# Altium PCB foxbms2-master.PcbDoc (part 2 of 12)
Units mil, origin at the board's own origin, x right, y up, seen from the top; angles counter-clockwise.
Board outline 7874.02 x 4724.41 mil, 8 copper layers (Top, Int1 (Sig), Int2 (Gnd), Int3 (Sig), Int4 (Sig), Int5 (Pwr), Int6 (Sig), Bottom), stack 64.41 mil thick; 912 components, 680 nets, 3159 pads, 2871 vias.
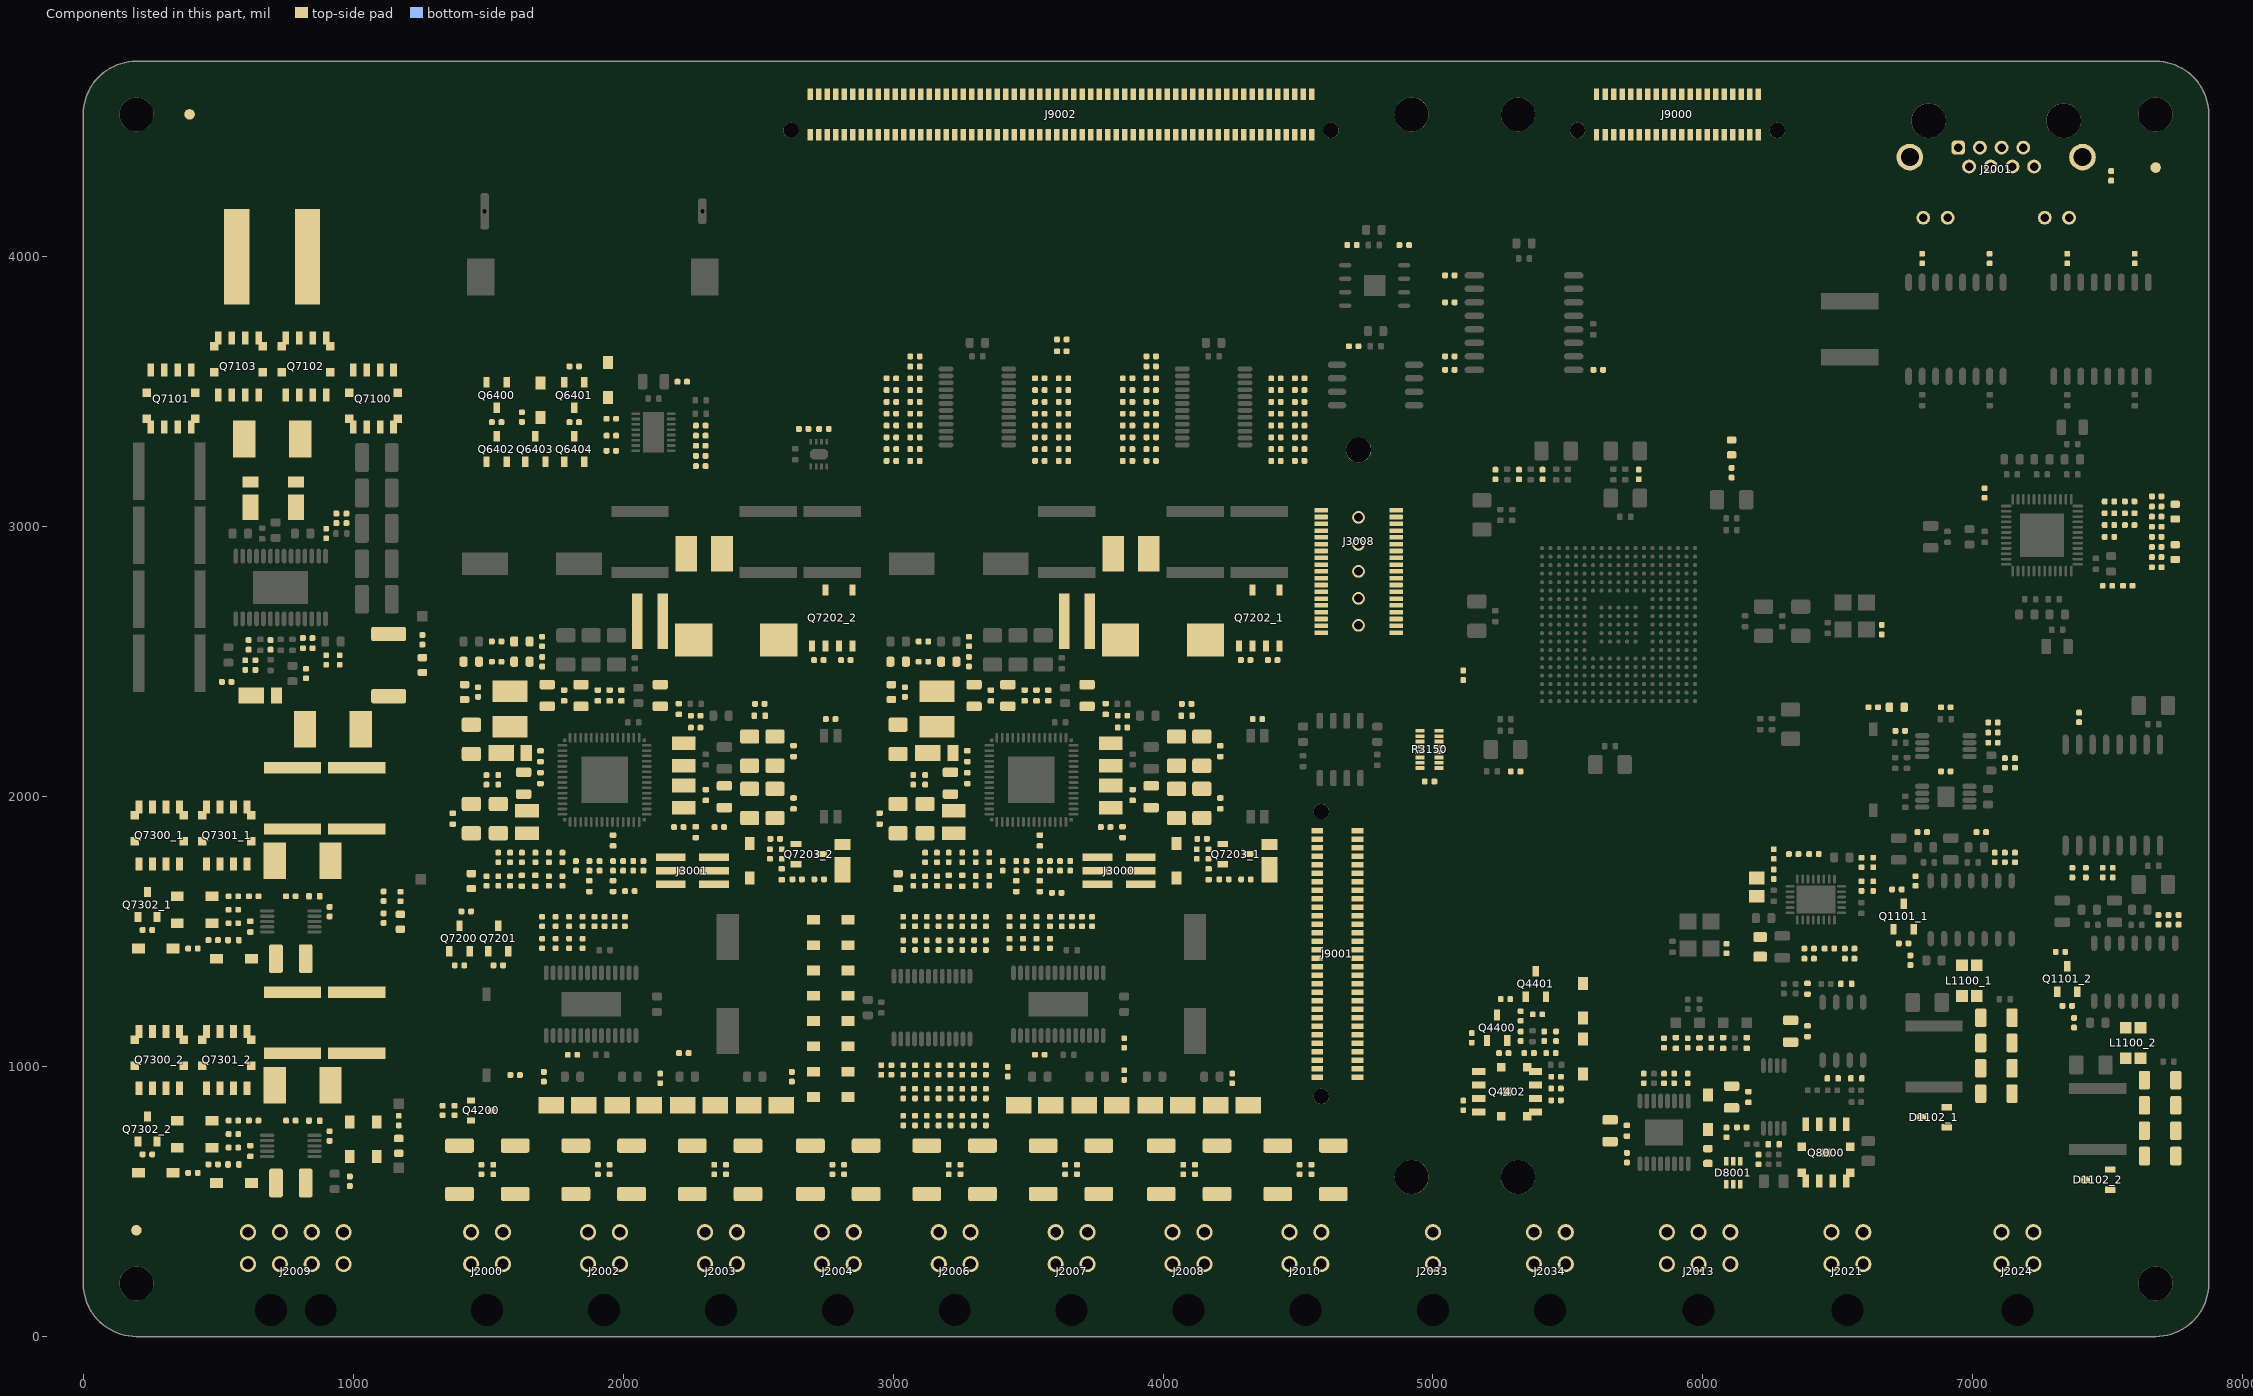
[diagram p8: the components of this part, seen from the top]

## Components (designator, comment, footprint, x,y, rotation, side; value= is the part's Value field where it differs from the comment) (continued)
C7218_2 "100n/100V" CAPC1608X08N 1625,2575 r180 top (schematic designator C7218)
C7219_1 "1n/100V" CAPC1005X06N 3575,2375 r270 top (schematic designator C7219)
C7219_2 "1n/100V" CAPC1005X06N 1993.75,2375 r270 top (schematic designator C7219)
C7220_1 "22u/10V" CAPC3216X18N 3018.75,2212.5 r270 top (schematic designator C7220)
C7220_2 "22u/10V" CAPC3216X18N 1437.5,2212.5 r270 top (schematic designator C7220)
C7221_1 "100n/50V" CAPC1005X06N 3531.25,2375 r270 top (schematic designator C7221)
C7221_2 "100n/50V" CAPC1005X06N 1950,2375 r270 top (schematic designator C7221)
C7222_1 "100n/50V" CAPC1005X06N 3543.75,1837.5 r90 top (schematic designator C7222)
C7222_2 "100n/50V" CAPC1005X06N 1962.5,1837.5 r90 top (schematic designator C7222)
C7223_1 "100n/50V" CAPC1005X06N 3887.5,2006.25 r90 top (schematic designator C7223)
C7223_2 "100n/50V" CAPC1005X06N 2306.25,2006.25 r90 top (schematic designator C7223)
C7224_1 "10u/16V" CAPC2012X14N 3956.25,2000 r90 top (schematic designator C7224)
C7224_2 "10u/16V" CAPC2012X14N 2375,2000 r90 top (schematic designator C7224)
C7225_1 "47n/100V" CAPC1608X08N 3018.75,2500 r0 top (schematic designator C7225)
C7225_2 "47n/100V" CAPC1608X08N 1437.5,2500 r0 top (schematic designator C7225)
C7226_1 "100n/100V" CAPC1608X08N 3206.25,2500 r180 top locked (schematic designator C7226)
C7226_2 "100n/100V" CAPC1608X08N 1625,2500 r180 top (schematic designator C7226)
C7227_1 "100n/50V" CAPC1005X06N 4087.5,2300 r180 top locked (schematic designator C7227)
C7227_2 "100n/50V" CAPC1005X06N 2506.25,2300 r180 top (schematic designator C7227)
C7228_1 "100n/50V" CAPC1005X06N 3275,2068.75 r90 top (schematic designator C7228)
C7228_2 "100n/50V" CAPC1005X06N 1693.75,2068.75 r90 top (schematic designator C7228)
C7229_1 "10u/16V" CAPC2012X14N 3212.5,2050 r90 top (schematic designator C7229)
C7229_2 "10u/16V" CAPC2012X14N 1631.25,2050 r90 top (schematic designator C7229)
C7230_1 "100n/50V" CAPC1005X06N 3275,2150 r270 top (schematic designator C7230)
C7230_2 "100n/50V" CAPC1005X06N 1693.75,2150 r270 top (schematic designator C7230)
C7231_1 "100n/50V" CAPC1005X06N 4168.75,1712.5 r90 top locked (schematic designator C7231)
C7231_2 "100n/50V" CAPC1005X06N 2587.5,1712.5 r90 top (schematic designator C7231)
C7232_1 "100n/50V" CAPC1005X06N 3362.5,2375 r270 top (schematic designator C7232)
C7232_2 "100n/50V" CAPC1005X06N 1781.25,2375 r270 top (schematic designator C7232)
C7233_1 "10u/16V" CAPC2012X14N 3300,2375 r270 top locked (schematic designator C7233)
C7233_2 "10u/16V" CAPC2012X14N 1718.75,2375 r270 top (schematic designator C7233)
C7234_1 "100n/50V" CAPC1005X06N 3487.5,2375 r270 top (schematic designator C7234)
C7234_2 "100n/50V" CAPC1005X06N 1906.25,2375 r270 top (schematic designator C7234)
C7235_1 "10u/16V" CAPC2012X14N 3425,2375 r270 top locked (schematic designator C7235)
C7235_2 "10u/16V" CAPC2012X14N 1843.75,2375 r270 top locked (schematic designator C7235)
C7236_1 "1n/100V" CAPC1005X06N 3543.75,1668.75 r90 top (schematic designator C7236)
C7236_2 "1n/100V" CAPC1005X06N 1962.5,1668.75 r90 top (schematic designator C7236)
C7237_1 "1n/100V" CAPC1005X06N 3456.25,1668.75 r90 top (schematic designator C7237)
C7237_2 "1n/100V" CAPC1005X06N 1875,1668.75 r90 top (schematic designator C7237)
C7238_1 "100n/50V" CAPC1005X06N 4212.5,2168.75 r90 top (schematic designator C7238)
C7238_2 "100n/50V" CAPC1005X06N 2631.25,2168.75 r90 top (schematic designator C7238)
C7239_1 "22u/10V" CAPC3216X18N 4143.75,2168.75 r90 top (schematic designator C7239)
C7239_2 "22u/10V" CAPC3216X18N 2562.5,2168.75 r90 top (schematic designator C7239)
C7240_1 "22u/10V" CAPC3216X18N 4050,2168.75 r90 top (schematic designator C7240)
C7240_2 "22u/10V" CAPC3216X18N 2468.75,2168.75 r90 top (schematic designator C7240)
C7241_1 "10u/16V" CAPC2012X14N 3718.75,2375 r270 top (schematic designator C7241)
C7241_2 "10u/16V" CAPC2012X14N 2137.5,2375 r270 top (schematic designator C7241)
C7242_1 "100n/50V" CAPC1005X06N 3787.5,2325 r270 top locked (schematic designator C7242)
C7242_2 "100n/50V" CAPC1005X06N 2206.25,2325 r270 top (schematic designator C7242)
C7243_1 "47n/50V" CAPC1005X06N 3206.25,1688.53 r90 top (schematic designator C7243)
C7243_2 "47n/50V" CAPC1005X06N 1625,1688.53 r90 top (schematic designator C7243)
C7244_1 "10n/25V" CAPC1005X06N 3256.25,1688.53 r90 top (schematic designator C7244)
C7244_2 "10n/25V" CAPC1005X06N 1675,1688.53 r90 top (schematic designator C7244)
C7245_1 "10n/25V" CAPC1005X06N 3850,1868.75 r90 top locked (schematic designator C7245)
C7245_2 "10n/25V" CAPC1005X06N 2268.75,1868.75 r90 top (schematic designator C7245)
C7246_1 "100n/50V" CAPC1005X06N 4212.5,1975 r270 top (schematic designator C7246)
C7246_2 "100n/50V" CAPC1005X06N 2631.25,1975 r270 top (schematic designator C7246)
C7247_1 "22u/10V" CAPC3216X18N 4050,1975 r270 top (schematic designator C7247)
C7247_2 "22u/10V" CAPC3216X18N 2468.75,1975 r270 top (schematic designator C7247)
C7248_1 "22u/10V" CAPC3216X18N 4143.75,1975 r270 top (schematic designator C7248)
C7248_2 "22u/10V" CAPC3216X18N 2562.5,1975 r270 top (schematic designator C7248)
C7249_1 "100n/50V" CAPC1005X06N 2950,1918.75 r270 top (schematic designator C7249)
C7249_2 "100n/50V" CAPC1005X06N 1368.75,1918.75 r270 top (schematic designator C7249)
C7250_1 "22u/10V" CAPC3216X18N 3118.75,1918.75 r270 top (schematic designator C7250)
C7250_2 "22u/10V" CAPC3216X18N 1537.5,1918.75 r270 top (schematic designator C7250)
C7251_1 "22u/10V" CAPC3216X18N 3018.75,1918.75 r270 top (schematic designator C7251)
C7251_2 "22u/10V" CAPC3216X18N 1437.5,1918.75 r270 top (schematic designator C7251)
C7300_1 "100n/50V" CAPC1005X06N 556.25,1468.75 r0 top (schematic designator C7300)
C7300_2 "100n/50V" CAPC1005X06N 556.25,637.5 r0 top (schematic designator C7300)
C7301_1 "10u/100V" CAPC5750X28N 775,1993.75 r270 top (schematic designator C7301)
C7301_2 "10u/100V" CAPC5750X28N 775,1162.5 r270 top (schematic designator C7301)
C7302_1 "10u/100V" CAPC5750X28N 1012.5,1993.75 r270 top (schematic designator C7302)
C7302_2 "10u/100V" CAPC5750X28N 1012.5,1162.5 r270 top (schematic designator C7302)
C7303_1 "47n/50V" CAPC1005X06N 856.25,1631.25 r0 top (schematic designator C7303)
C7303_2 "47n/50V" CAPC1005X06N 856.25,800 r0 top (schematic designator C7303)
C7304_1 "4u7/100V" CAPC3225X25N 768.75,1400 r0 top (schematic designator C7304)
C7304_2 "4u7/100V" CAPC3225X25N 768.75,568.75 r0 top (schematic designator C7304)
C7305_1 "220n/35V" CAPC1005X06N 618.75,1518.75 r270 top (schematic designator C7305)
C7305_2 "220n/35V" CAPC1005X06N 618.75,687.5 r270 top locked (schematic designator C7305)
C8000 "22n/50V" CAPC1005X06N 5987.5,1087.5 r90 top
C8001 "22n/50V" CAPC1005X06N 5900,1087.5 r90 top
C8002 "22n/50V" CAPC1005X06N 6075,1087.5 r90 top
C8003 "100n/50V" CAPC1005X06N 5718.75,762.5 r270 top
C8004 "22n/50V" CAPC1005X06N 6262.5,712.5 r180 top locked
C8005 "22n/50V" CAPC1005X06N 6162.5,1087.5 r90 top
C8006 "10u/16V" CAPC2012X14N 6106.25,887.5 r90 top
C8007 "100n/50V" CAPC1005X06N 6168.75,887.5 r90 top
C8008 "10u/16V" CAPC2012X14N 6325,1131.25 r90 top
C8009 "100n/50V" CAPC1005X06N 6387.5,1131.25 r90 top
C8010 "22n/50V" CAPC1005X06N 6568.75,956.25 r180 top
C8011 "22n/50V" CAPC1005X06N 6481.25,956.25 r180 top
C8012 "10u/16V" CAPC2012X14N 5656.25,762.5 r270 top
C8013 "22n/50V" CAPC1005X06N 6531.25,1306.25 r180 top
C8014 "22n/50V" CAPC1005X06N 6387.5,1288.53 r90 top
D1102_1 "SM24CANB-02HTG" LF_SOT23-3 6856.25,812.5 r180 top locked (schematic designator D1102)
D1102_2 "SM24CANB-02HTG" LF_SOT23-3 7462.5,581.25 r180 top (schematic designator D1102)
D1200 "pure green" LEDC1608X07N 7750,3056.25 r270 top locked
D1201 "pure green" LEDC1608X07N 7750,2906.25 r270 top locked
D4200_1 "SZMMSZ4688T1G" SOD-123_CASE-425-04-ISSUE-G 2768.75,1543.75 r180 top (schematic designator D4200)
D4200_2 "SZMMSZ4688T1G" SOD-123_CASE-425-04-ISSUE-G 2768.75,1450 r180 top (schematic designator D4200)
D4200_3 "SZMMSZ4688T1G" SOD-123_CASE-425-04-ISSUE-G 2768.75,1356.25 r180 top (schematic designator D4200)
D4200_4 "SZMMSZ4688T1G" SOD-123_CASE-425-04-ISSUE-G 2768.75,1262.5 r180 top (schematic designator D4200)
D4200_5 "SZMMSZ4688T1G" SOD-123_CASE-425-04-ISSUE-G 2768.75,1168.75 r180 top (schematic designator D4200)
D4200_6 "SZMMSZ4688T1G" SOD-123_CASE-425-04-ISSUE-G 2768.75,1075 r180 top (schematic designator D4200)
D4200_7 "SZMMSZ4688T1G" SOD-123_CASE-425-04-ISSUE-G 2768.75,981.25 r180 top (schematic designator D4200)
D4200_8 "SZMMSZ4688T1G" SOD-123_CASE-425-04-ISSUE-G 2768.75,887.5 r180 top (schematic designator D4200)
D4400 "1N4148WQ-7-F" SOD-123_CASE-425-04-ISSUE-G 5556.25,1037.5 r270 top
D4401 "1N4148WQ-7-F" SOD-123_CASE-425-04-ISSUE-G 5556.25,1243.75 r270 top
D4500_1 "SMA6J60A-Q" BOURNS_DO-214AC_SMA 1793.75,856.25 r0 top (schematic designator D4500)
D4500_2 "SMA6J60A-Q" BOURNS_DO-214AC_SMA 3525,856.25 r0 top (schematic designator D4500)
D4501_1 "SMA6J60A-Q" BOURNS_DO-214AC_SMA 2037.5,856.25 r180 top (schematic designator D4501)
D4501_2 "SMA6J60A-Q" BOURNS_DO-214AC_SMA 3768.75,856.25 r180 top (schematic designator D4501)
D4502_1 "SMA6J60A-Q" BOURNS_DO-214AC_SMA 2281.25,856.25 r0 top (schematic designator D4502)
D4502_2 "SMA6J60A-Q" BOURNS_DO-214AC_SMA 4012.5,856.25 r0 top (schematic designator D4502)
D4503_1 "SMA6J60A-Q" BOURNS_DO-214AC_SMA 2525,856.25 r180 top (schematic designator D4503)
D4503_2 "SMA6J60A-Q" BOURNS_DO-214AC_SMA 4256.25,856.25 r180 top (schematic designator D4503)
D5000 "pure green" LEDC1608X07N 6106.25,3293.75 r270 top
D6400 "SZMMSZ4688T1G" SOD-123_CASE-425-04-ISSUE-G 1943.75,3543.75 r90 top
D6401 "SZMMSZ4688T1G" SOD-123_CASE-425-04-ISSUE-G 1693.75,3468.75 r90 top
D6601 "pure green" LEDC1608X07N 6718.75,2331.25 r180 top locked
D7000 "pure green" LEDC1608X07N 1175,1536.47 r90 top
D7001 "pure green" LEDC1608X07N 1256.25,2487.5 r90 top
D7002 "pure green" LEDC1608X07N 2993.75,2387.5 r270 top
D7003 "pure green" LEDC1608X07N 1412.5,2387.5 r270 top
D7004 "1N4148WQ-7-F" SOD-123_CASE-425-04-ISSUE-G 1087.5,731.25 r270 top
D7005 "pure green" LEDC1608X07N 1168.75,706.25 r90 top
D7006 "1N4148WQ-7-F" SOD-123_CASE-425-04-ISSUE-G 987.5,731.25 r270 top
D7100 "DFLS1100Q-7" PowerDI123 656.25,2375 r0 top locked
D7101 "DFLS1100Q-7" PowerDI123 618.75,3106.25 r90 top locked
D7102 "DFLS1100Q-7" PowerDI123 787.5,3106.25 r90 top locked
D7200_1 "pure green" LEDC1608X07N 3018.75,1687.5 r90 top locked (schematic designator D7200)
D7200_2 "pure green" LEDC1608X07N 1437.5,1687.5 r90 top locked (schematic designator D7200)
D7201_1 "DFLS130LQ-7" PowerDI123 3162.5,2162.5 r0 top locked (schematic designator D7201)
D7201_2 "DFLS130LQ-7" PowerDI123 1581.25,2162.5 r0 top locked (schematic designator D7201)
D7202_1 "SZMMSZ4688T1G" SOD-123_CASE-425-04-ISSUE-G 4050,1762.5 r270 top (schematic designator D7202)
D7202_2 "SZMMSZ4688T1G" SOD-123_CASE-425-04-ISSUE-G 2468.75,1762.5 r270 top (schematic designator D7202)
D7203_1 "DFLS1100Q-7" PowerDI123 4393.75,1762.5 r90 top locked (schematic designator D7203)
D7203_2 "DFLS1100Q-7" PowerDI123 2812.5,1762.5 r90 top locked (schematic designator D7203)
D7303_1 "1N4148WQ-7-F" SOD-123_CASE-425-04-ISSUE-G 412.5,1631.25 r0 top (schematic designator D7303)
D7303_2 "1N4148WQ-7-F" SOD-123_CASE-425-04-ISSUE-G 412.5,800 r0 top locked (schematic designator D7303)
D7305_1 "1N4148WQ-7-F" SOD-123_CASE-425-04-ISSUE-G 268.75,1437.5 r0 top (schematic designator D7305)
D7305_2 "1N4148WQ-7-F" SOD-123_CASE-425-04-ISSUE-G 268.75,606.25 r0 top (schematic designator D7305)
D7306_1 "SZMMSZ5237BT1G" SOD-123_CASE-425-04-ISSUE-G 412.5,1531.25 r0 top (schematic designator D7306)
D7306_2 "SZMMSZ5237BT1G" SOD-123_CASE-425-04-ISSUE-G 412.5,700 r0 top locked (schematic designator D7306)
D7307_1 "SZMMSZ5261BT1G" SOD-123_CASE-425-04-ISSUE-G 558.12,1400 r0 top (schematic designator D7307)
D7307_2 "SZMMSZ5261BT1G" SOD-123_CASE-425-04-ISSUE-G 558.12,568.75 r0 top (schematic designator D7307)
D8000 "1N4148WQ-7-F" SOD-123_CASE-425-04-ISSUE-G 6018.75,831.25 r90 top locked
D8001 "SZNUP2301MW6T1G" ONSEMI_SC-88_SOT-363 6112.5,606.25 r270 top locked
Designator69 "Comment" Hole_WA-SMSI_M3 7677.17,4527.56 r0 top locked
Designator70 "Comment" Hole_WA-SMSI_M3 7677.17,196.85 r0 top locked
Designator71 "Comment" Hole_WA-SMSI_M3 196.85,196.85 r0 top locked
Designator72 "Comment" Hole_WA-SMSI_M3 196.85,4527.56 r0 top locked
Designator74 "Comment" Fiducial_2 196.85,393.7 r0 top locked
Designator75 "Comment" Hole_WA-SMSI_M3 5314.96,4527.56 r0 top locked
Designator76 "Comment" Hole_WA-SMSI_M3 5314.96,590.55 r0 top locked
Designator77 "Comment" Hole_WA-SMSI_M3 4921.26,590.55 r0 top locked
Designator78 "Comment" Hole_WA-SMSI_M3 4921.26,4527.56 r0 top locked
Designator79 "Comment" Fiducial_2 393.7,4527.56 r0 top locked
Designator81 "Comment" Fiducial_2 7677.17,4330.71 r0 top locked
FB5000 "600Ω" RESC1005X04N 5762.5,3193.75 r270 top locked
FB5001 "600Ω" RESC1005X04N 5406.25,3193.75 r270 top locked
FB5002 "600Ω" RESC1005X04N 5318.75,3193.75 r270 top locked
J2000 "molex_microfit_3_02x2_THT" MOLEX_MICROFIT_02x2_THT 1496.06,98.43 r180 top locked
J2001 "WE_615008137421" WE_615008137421 7086.61,4409.45 r180 top locked
J2002 "molex_microfit_3_02x2_THT" MOLEX_MICROFIT_02x2_THT 1929.13,98.43 r180 top locked
J2003 "molex_microfit_3_02x2_THT" MOLEX_MICROFIT_02x2_THT 2362.2,98.43 r180 top locked
J2004 "molex_microfit_3_02x2_THT" MOLEX_MICROFIT_02x2_THT 2795.28,98.43 r180 top locked
J2006 "molex_microfit_3_02x2_THT" MOLEX_MICROFIT_02x2_THT 3228.35,98.43 r180 top locked
J2007 "molex_microfit_3_02x2_THT" MOLEX_MICROFIT_02x2_THT 3661.42,98.43 r180 top locked
J2008 "molex_microfit_3_02x2_THT" MOLEX_MICROFIT_02x2_THT 4094.49,98.43 r180 top locked
J2009 "molex_microfit_3_04x2_THT" MOLEX_MICROFIT_04x2_THT 787.4,98.43 r180 top locked
J2010 "molex_microfit_3_02x2_THT" MOLEX_MICROFIT_02x2_THT 4527.56,98.43 r180 top locked
J2013 "molex_microfit_3_03x2_THT" MOLEX_MICROFIT_03x2_THT 5984.25,98.43 r180 top locked
J2021 "molex_microfit_3_02x2_THT" MOLEX_MICROFIT_02x2_THT 6535.43,98.43 r180 top locked
J2024 "molex_microfit_3_02x2_THT" MOLEX_MICROFIT_02x2_THT 7165.35,98.43 r180 top locked
J2033 "molex_microfit_3_01x2_THT" MOLEX_MICROFIT_01x2_THT 5000,98.43 r180 top locked
J2034 "molex_microfit_3_02x2_THT" MOLEX_MICROFIT_02x2_THT 5433.07,98.43 r180 top locked
J3000 "samtec_FTSH-103-01-L-DV" SAMTEC_FTSH-103-01-L-DV 3837.5,1725 r0 top
J3001 "samtec_FTSH-103-01-L-DV" SAMTEC_FTSH-103-01-L-DV 2256.25,1725 r0 top
J3008 "TE_2-5767004-2" TE_2-5767004-2 4724.41,2834.65 r90 top locked
J9000 "ERM8-020-09.0-L-DV-K-TR" SAMTEC_ERM8-020-09.0-L-DV-K 5905.51,4527.56 r0 top locked
J9001 "ERM8-030-09.0-L-DV-K-TR" SAMTEC_ERM8-030-09.0-L-DV-K 4645.67,1417.32 r270 top locked
J9002 "ERM8-060-09.0-L-DV-K-TR" SAMTEC_ERM8-060-09.0-L-DV-K 3622.05,4527.56 r0 top locked
L1100_1 "51uH" MURATA_DLW32SH 6987.5,1318.75 r90 top locked (schematic designator L1100)
L1100_2 "51uH" MURATA_DLW32SH 7593.75,1087.5 r90 top locked (schematic designator L1100)
L1600 "10µH" INDC2012X14N 6200,1664.91 r90 top locked
L7100 "2.2µH" COILCRAFT_XAL1010 700,4000 r0 top
L7200_1 "1µH" ASPIAIG-S4035 3881.25,2900 r0 top locked (schematic designator L7200)
L7200_2 "1µH" ASPIAIG-S4035 2300,2900 r0 top (schematic designator L7200)
L7201_1 "6.8µH" PA4342.XXXNLT_Footprint_2 4000,2581.25 r180 top locked (schematic designator L7201)
L7201_2 "6.8µH" PA4342.XXXNLT_Footprint_2 2418.75,2581.25 r180 top (schematic designator L7201)
L7202_1 "4.7µH" ASPIAIG-S4035 3162.5,2325 r90 top locked (schematic designator L7202)
L7202_2 "4.7µH" ASPIAIG-S4035 1581.25,2325 r90 top locked (schematic designator L7202)
L7203_1 "1µH" TDK_TFM252012 3806.25,2156.25 r90 top locked (schematic designator L7203)
L7203_2 "1µH" TDK_TFM252012 2225,2156.25 r90 top locked (schematic designator L7203)
L7204_1 "1µH" TDK_TFM252012 3806.25,2000 r270 top locked (schematic designator L7204)
L7204_2 "1µH" TDK_TFM252012 2225,2000 r270 top locked (schematic designator L7204)
L7205_1 "1µH" TDK_TFM252012 3225,1906.25 r270 top locked (schematic designator L7205)
L7205_2 "1µH" TDK_TFM252012 1643.75,1906.25 r270 top locked (schematic designator L7205)
Q1101_1 "DMP10H4D2S-7" SOT95P237X110-3N 6743.75,1556.25 r90 top locked (schematic designator Q1101)
Q1101_2 "DMP10H4D2S-7" SOT95P237X110-3N 7350,1325 r90 top (schematic designator Q1101)
Q4200 "SI2302CDS-T1-GE" SOT95P237X112-3N 1475,837.5 r0 top locked
Q4400 "DMP10H4D2S-7" SOT95P237X110-3N 5237.5,1143.75 r90 top
Q4401 "DMN10H220L-7" SOT95P237X110-3N 5381.25,1306.25 r90 top
Q4402 "STL115N10F7AG" ST_PowerFLAT_5x6_WF_type_C#1 5275,906.25 r270 top
Q6400 "DMP10H4D2S-7" SOT95P237X110-3N 1531.25,3487.5 r270 top locked
Q6401 "DMP10H4D2S-7" SOT95P237X110-3N 1818.75,3487.5 r270 top locked
Q6402 "DMN10H220L-7" SOT95P237X110-3N 1531.25,3287.5 r90 top
Q6403 "DMN10H220L-7" SOT95P237X110-3N 1675,3287.5 r90 top
Q6404 "DMN10H220L-7" SOT95P237X110-3N 1818.75,3287.5 r90 top
Q7100 "STL115N10F7AG" ST_PowerFLAT_5x6_WF_type_C#2 1075,3475 r180 top
Q7101 "STL115N10F7AG" ST_PowerFLAT_5x6_WF_type_C#2 325,3475 r180 top
Q7102 "STL115N10F7AG" ST_PowerFLAT_5x6_WF_type_C#2 825,3593.75 r0 top
Q7103 "STL115N10F7AG" ST_PowerFLAT_5x6_WF_type_C#2 575,3593.75 r0 top
Q7200 "DMP10H4D2S-7" SOT95P237X110-3N 1393.75,1475 r90 top
Q7201 "DMN10H220L-7" SOT95P237X110-3N 1537.5,1475 r90 top locked
Q7202_1 "BUK9K13-60EX" NXP-SOT1205_N 4356.25,2662.5 r90 top (schematic designator Q7202)
Q7202_2 "BUK9K13-60EX" NXP-SOT1205_N 2775,2662.5 r90 top locked (schematic designator Q7202)
Q7203_1 "SQ2309ES-T1_GE3" SOT95P237X110-3N 4268.75,1787.5 r0 top locked (schematic designator Q7203)
Q7203_2 "SQ2309ES-T1_GE3" SOT95P237X110-3N 2687.5,1787.5 r0 top locked (schematic designator Q7203)
Q7300_1 "STL115N10F7AG" ST_PowerFLAT_5x6_WF_type_C#2 281.25,1856.25 r0 top (schematic designator Q7300)
Q7300_2 "STL115N10F7AG" ST_PowerFLAT_5x6_WF_type_C#2 281.25,1025 r0 top (schematic designator Q7300)
Q7301_1 "STL115N10F7AG" ST_PowerFLAT_5x6_WF_type_C#2 531.25,1856.25 r0 top (schematic designator Q7301)
Q7301_2 "STL115N10F7AG" ST_PowerFLAT_5x6_WF_type_C#2 531.25,1025 r0 top (schematic designator Q7301)
Q7302_1 "ZXTN4240F-7" DIODES_SOT23_NPN 237.5,1600 r90 top (schematic designator Q7302)
Q7302_2 "ZXTN4240F-7" DIODES_SOT23_NPN 237.5,768.75 r90 top (schematic designator Q7302)
Q8000 "STL115N10F7AG" ST_PowerFLAT_5x6_WF_type_C#1 6456.25,681.25 r180 top
R1100 "0R" RESC1005X04N 7393.75,2293.75 r90 top
R1101 "0R" RESC1005X04N 6787.5,1687.5 r90 top locked
R1102 "0R" RESC1005X04N 7418.75,1718.75 r270 top
R1103_1 "10k" RESC1005X04N 6812.5,1868.75 r180 top (schematic designator R1103)
R1103_2 "10k" RESC1005X04N 7518.75,1718.75 r270 top (schematic designator R1103)
R1104_1 "10k" RESC1005X04N 7031.25,1868.75 r0 top (schematic designator R1104)
R1104_2 "10k" RESC1005X04N 7481.25,1718.75 r270 top (schematic designator R1104)
R1105_1 "10k" RESC1005X04N 7156.25,1775 r90 top locked (schematic designator R1105)
R1105_2 "10k" RESC1005X04N 7762.5,1543.75 r90 top (schematic designator R1105)
R1106 "0R" RESC1005X04N 7368.75,1718.75 r90 top
R1107_1 "0R" RESC1005X04N 7118.75,1775 r270 top locked (schematic designator R1107)
R1107_2 "0R" RESC1005X04N 7725,1543.75 r270 top (schematic designator R1107)
R1108_1 "0R" RESC1005X04N 7081.25,1775 r270 top locked (schematic designator R1108)
R1108_2 "0R" RESC1005X04N 7687.5,1543.75 r270 top (schematic designator R1108)
R1110_1 "120R" RESC3216X06N 7087.5,1181.25 r180 top (schematic designator R1110)
R1110_2 "120R" RESC3216X06N 7693.75,950 r180 top (schematic designator R1110)
R1111_1 "120R" RESC3216X06N 7087.5,1087.5 r180 top (schematic designator R1111)
R1111_2 "120R" RESC3216X06N 7693.75,856.25 r180 top (schematic designator R1111)
R1112_1 "120R" RESC3216X06N 7087.5,993.75 r180 top (schematic designator R1112)
R1112_2 "120R" RESC3216X06N 7693.75,762.5 r180 top (schematic designator R1112)
R1113_1 "120R" RESC3216X06N 7087.5,900 r180 top locked (schematic designator R1113)
R1113_2 "120R" RESC3216X06N 7693.75,668.75 r180 top locked (schematic designator R1113)
R1114_1 "10k" RESC1005X04N 6718.75,1656.25 r0 top (schematic designator R1114)
R1114_2 "10k" RESC1005X04N 7325,1425 r0 top (schematic designator R1114)
R1115_1 "100R" RESC1005X04N 6743.75,1456.25 r0 top locked (schematic designator R1115)
R1115_2 "100R" RESC1005X04N 7350,1225 r0 top (schematic designator R1115)
R1116_1 "10k" RESC1005X04N 6768.75,1393.75 r270 top locked (schematic designator R1116)
R1116_2 "10k" RESC1005X04N 7375,1162.5 r270 top (schematic designator R1116)
R1200 "2k49" RESC1005X04N 7506.25,3093.75 r180 top
R1201 "2k49" RESC1005X04N 7506.25,3050 r180 top locked
R1202 "2k49" RESC1005X04N 7506.25,3006.25 r180 top
R1203 "2k49" RESC1005X04N 7498.97,2781.25 r180 top locked